# Allegro board 8880F5-0826_3.brd (continued)
## Routing (per net, layer and track width the routed paths; a pad name or vN(x,y) marks a point on that pad's centre or on a via; arc(x,y) is an arc through that point) (continued)
396.24,371.65 ; D107.B10 404.67,60.96 ; D107.B10 403.86,60.15 ; D107.B10 403.86,61.77 ; D107.B10 403.05,60.96 ; 320.04,90.73 D301.B6 ; D301.B6 319.33,91.44 ; D301.B6 320.04,92.15 ; D301.B6 320.75,91.44 ; D317.A7 175.97,83.82 ; D317.A7 174.55,83.82 ; D317.A7 175.26,83.11 ; D317.A7 175.26,84.53 ; 416.56,375.11 D111.A3 ; D111.A3 417.37,375.92 ; D111.A3 416.56,376.73 ; D111.A3 415.75,375.92 ; 42.37,78.74 D126.B13 ; D126.B13 43.18,79.55 ; D126.B13 43.99,78.74 ; D126.B13 43.18,77.93 ; 193.04,377.65 D431.B4 ; D431.B4 193.04,379.27 ; D431.B4 192.23,378.46 ; D431.B4 193.85,378.46 ; D132.A15 122.73,33.02 ; D132.A15 121.11,33.02 ; D132.A15 121.92,33.83 ; D132.A15 121.92,32.21 ; D110.B14 389.43,347.98 ; D110.B14 388.62,348.79 ; D110.B14 387.81,347.98 ; D110.B14 388.62,347.17 ; D129.A10 109.22,97.33 ; D129.A10 109.22,95.71 ; D129.A10 110.03,96.52 ; D129.A10 108.41,96.52 ; 194.87,83.82 D317.A15 ; D317.A15 195.58,84.53 ; D317.A15 196.29,83.82 ; D317.A15 195.58,83.11 ; 400.51,350.52 D110.B9 ; D110.B9 401.32,349.71 ; D110.B9 402.13,350.52 ; D110.B9 401.32,351.33 ; 251.43,242.35 SITE1.G15 ; SITE1.G15 251.91,242.83 ; SITE1.G15 250.95,242.83 ; SITE1.G15 251.43,243.31 ; 195.58,329.39 CSDPS229.C3 ; CSDPS229.C3 195.58,331.01 ; CSDPS229.C3 196.39,330.2 ; CSDPS229.C3 194.77,330.2 ; 167.64,39.83 D120.B4 ; D120.B4 167.64,41.45 ; D120.B4 168.45,40.64 ; D120.B4 166.83,40.64 ; 327.66,354.79 D114.A9 ; D114.A9 327.66,356.41 ; D114.A9 328.47,355.6 ; D114.A9 326.85,355.6 ; D317.B3 165.81,88.9 ; D317.B3 164.39,88.9 ; D317.B3 165.1,88.19 ; D317.B3 165.1,89.61 ; 108.41,81.28 D130.B10 ; D130.B10 109.22,82.09 ; D130.B10 110.03,81.28 ; D130.B10 109.22,80.47 ; 339.55,35.56 D104.A14 ; D104.A14 340.36,34.75 ; D104.A14 340.36,36.37 ; D104.A14 341.17,35.56 ; D118.A1 160.83,73.66 ; D118.A1 159.21,73.66 ; D118.A1 160.02,74.47 ; D118.A1 160.02,72.85 ; D231.A16 162.56,374.19 ; D231.A16 163.37,373.38 ; D231.A16 161.75,373.38 ; D231.A16 162.56,372.57 ; 187.96,39.83 D120.B12 ; D120.B12 188.77,40.64 ; D120.B12 187.15,40.64 ; D120.B12 187.96,41.45 ; D109.A2 419.1,333.55 ; D109.A2 419.1,331.93 ; D109.A2 418.29,332.74 ; D109.A2 419.91,332.74 ; 159.31,63.5 D318.A1 ; D318.A1 160.73,63.5 ; D318.A1 160.02,62.79 ; D318.A1 160.02,64.21 ; 88.09,35.56 D132.A2 ; D132.A2 88.9,34.75 ; D132.A2 89.71,35.56 ; D132.A2 88.9,36.37 ; SITE4.G7 328.81,187.93 ; SITE4.G7 328.33,187.45 ; SITE4.G7 327.85,187.93 ; SITE4.G7 328.33,188.41 ; SITE3.G6 253.33,181.81 ; SITE3.G6 252.85,181.33 ; SITE3.G6 253.33,180.85 ; SITE3.G6 253.81,181.33 ; D109.B12 394.51,327.66 ; D109.B12 393.7,326.85 ; D109.B12 392.89,327.66 ; D109.B12 393.7,328.47 ; D302.A9 328.37,63.5 ; D302.A9 326.95,63.5 ; D302.A9 327.66,62.79 ; D302.A9 327.66,64.21 ; CSDPS425.C7 259.08,341.17 ; CSDPS425.C7 259.89,340.36 ; CSDPS425.C7 258.27,340.36 ; CSDPS425.C7 259.08,339.55 ; D301.B7 322.58,89.61 ; D301.B7 322.58,88.19 ; D301.B7 323.29,88.9 ; D301.B7 321.87,88.9 ; D130.B6 99.06,82.09 ; D130.B6 99.87,81.28 ; D130.B6 99.06,80.47 ; D130.B6 98.25,81.28 ; D132.B2 88.9,41.45 ; D132.B2 88.09,40.64 ; D132.B2 89.71,40.64 ; D132.B2 88.9,39.83 ; 385.27,53.34 D107.A3 ; D107.A3 386.89,53.34 ; D107.A3 386.08,54.15 ; D107.A3 386.08,52.53 ; D305.B10 403.86,92.15 ; D305.B10 403.15,91.44 ; D305.B10 403.86,90.73 ; D305.B10 404.57,91.44 ; 331.33,187.45 SITE4.G10 ; SITE4.G10 330.85,187.93 ; SITE4.G10 331.33,188.41 ; SITE4.G10 331.81,187.93 ; 49.99,35.56 D128.A16 ; D128.A16 50.8,34.75 ; D128.A16 51.61,35.56 ; D128.A16 50.8,36.37 ; D123.B4 241.3,61.77 ; D123.B4 241.3,60.15 ; D123.B4 242.11,60.96 ; D123.B4 240.49,60.96 ; 161.75,383.54 D431.A16 ; D431.A16 162.56,382.73 ; D431.A16 163.37,383.54 ; D431.A16 162.56,384.35 ; 11.89,99.06 D125.B1 ; D125.B1 12.7,98.25 ; D125.B1 12.7,99.87 ; D125.B1 13.51,99.06 ; 187.25,66.04 D318.A12 ; D318.A12 188.67,66.04 ; D318.A12 187.96,65.33 ; D318.A12 187.96,66.75 ; 182.07,81.28 D118.B10 ; D118.B10 183.69,81.28 ; D118.B10 182.88,80.47 ; D118.B10 182.88,82.09 ; 319.23,35.56 D104.A6 ; D104.A6 320.85,35.56 ; D104.A6 320.04,36.37 ; D104.A6 320.04,34.75 ; 421.64,375.11 D111.A1 ; D111.A1 422.45,375.92 ; D111.A1 421.64,376.73 ; D111.A1 420.83,375.92 ; D131.A10 109.22,56.69 ; D131.A10 108.41,55.88 ; D131.A10 110.03,55.88 ; D131.A10 109.22,55.07 ; 337.82,67.87 D302.B13 ; D302.B13 337.82,69.29 ; D302.B13 337.11,68.58 ; D302.B13 338.53,68.58 ; 311.61,410.21 DPS2.C15 ; DPS2.C15 312.42,409.4 ; DPS2.C15 312.42,411.02 ; DPS2.C15 313.23,410.21 ; D132.B16 125.27,40.64 ; D132.B16 124.46,41.45 ; D132.B16 123.65,40.64 ; D132.B16 124.46,39.83 ; D127.A12 41.45,55.88 ; D127.A12 40.64,56.69 ; D127.A12 39.83,55.88 ; D127.A12 40.64,55.07 ; D128.A10 36.37,35.56 ; D128.A10 34.75,35.56 ; D128.A10 35.56,34.75 ; D128.A10 35.56,36.37 ; 105.87,78.74 D130.B9 ; D130.B9 107.49,78.74 ; D130.B9 106.68,77.93 ; D130.B9 106.68,79.55 ; 16.97,78.74 D126.B3 ; D126.B3 17.78,79.55 ; D126.B3 17.78,77.93 ; D126.B3 18.59,78.74 ; 165.1,329.39 CSDPS229.C15 ; CSDPS229.C15 165.1,331.01 ; CSDPS229.C15 164.29,330.2 ; CSDPS229.C15 165.91,330.2 ; D107.A13 412.29,53.34 ; D107.A13 411.48,52.53 ; D107.A13 411.48,54.15 ; D107.A13 410.67,53.34 ; D305.B1 381.71,88.9 ; D305.B1 380.29,88.9 ; D305.B1 381,88.19 ; D305.B1 381,89.61 ; 17.78,52.53 D127.A3 ; D127.A3 18.59,53.34 ; D127.A3 17.78,54.15 ; D127.A3 16.97,53.34 ; 250.33,187.45 SITE3.G9 ; SITE3.G9 250.33,188.41 ; SITE3.G9 249.85,187.93 ; SITE3.G9 250.81,187.93 ; D102.A5 317.5,74.47 ; D102.A5 316.69,73.66 ; D102.A5 317.5,72.85 ; D102.A5 318.31,73.66 ; 326.85,78.74 D102.B9 ; D102.B9 327.66,79.55 ; D102.B9 327.66,77.93 ; D102.B9 328.47,78.74 ; SITE4.G17 329.51,186.43 ; SITE4.G17 328.55,186.43 ; SITE4.G17 329.03,185.95 ; SITE4.G17 329.03,186.91 ; CSDPS425.C5 264.16,341.17 ; CSDPS425.C5 264.97,340.36 ; CSDPS425.C5 264.16,339.55 ; CSDPS425.C5 263.35,340.36 ; D111.A15 386.08,376.73 ; D111.A15 385.27,375.92 ; D111.A15 386.89,375.92 ; D111.A15 386.08,375.11 ; CSDPS229.C5 191.31,330.2 ; CSDPS229.C5 190.5,329.39 ; CSDPS229.C5 190.5,331.01 ; CSDPS229.C5 189.69,330.2 ; 187.96,75.39 D118.A12 ; D118.A12 187.96,77.01 ; D118.A12 187.15,76.2 ; D118.A12 188.77,76.2 ; D130.B7 101.6,79.55 ; D130.B7 101.6,77.93 ; D130.B7 102.41,78.74 ; D130.B7 100.79,78.74 ; 258.27,19.05 DPS3.C11 ; DPS3.C11 259.08,19.86 ; DPS3.C11 259.89,19.05 ; DPS3.C11 259.08,18.24 ; D301.B15 342.9,89.61 ; D301.B15 342.9,88.19 ; D301.B15 343.61,88.9 ; D301.B15 342.19,88.9 ; 393.7,75.39 D106.A6 ; D106.A6 392.89,76.2 ; D106.A6 394.51,76.2 ; D106.A6 393.7,77.01 ; 344.73,71.12 D302.B16 ; D302.B16 346.15,71.12 ; D302.B16 345.44,71.83 ; D302.B16 345.44,70.41 ; 248.92,339.55 CSDPS425.C11 ; CSDPS425.C11 248.92,341.17 ; CSDPS425.C11 248.11,340.36 ; CSDPS425.C11 249.73,340.36 ; 410.77,63.5 D306.A13 ; D306.A13 412.19,63.5 ; D306.A13 411.48,64.21 ; D306.A13 411.48,62.79 ; D127.A4 21.13,55.88 ; D127.A4 20.32,55.07 ; D127.A4 20.32,56.69 ; D127.A4 19.51,55.88 ; CSDPS229.B12 173.53,332.74 ; CSDPS229.B12 172.72,331.93 ; CSDPS229.B12 172.72,333.55 ; CSDPS229.B12 171.91,332.74 ; 165.1,62.79 D318.A3 ; D318.A3 165.81,63.5 ; D318.A3 165.1,64.21 ; D318.A3 164.39,63.5 ; 388.62,372.57 D111.A14 ; D111.A14 388.62,374.19 ; D111.A14 387.81,373.38 ; D111.A14 389.43,373.38 ; D114.B13 317.5,351.33 ; D114.B13 318.31,350.52 ; D114.B13 317.5,349.71 ; D114.B13 316.69,350.52 ; D321.A6 246.38,87.07 ; D321.A6 245.67,86.36 ; D321.A6 246.38,85.65 ; D321.A6 247.09,86.36 ; D115.A1 347.98,376.73 ; D115.A1 348.79,375.92 ; D115.A1 347.17,375.92 ; D115.A1 347.98,375.11 ; D231.A3 195.58,376.73 ; D231.A3 195.58,375.11 ; D231.A3 194.77,375.92 ; D231.A3 196.39,375.92 ; 238.05,88.9 D321.B3 ; D321.B3 238.76,88.19 ; D321.B3 239.47,88.9 ; D321.B3 238.76,89.61 ; 96.52,72.85 D130.A5 ; D130.A5 96.52,74.47 ; D130.A5 97.33,73.66 ; D130.A5 95.71,73.66 ; 199.85,410.21 DPS8.C01 ; DPS8.C01 200.66,411.02 ; DPS8.C01 201.47,410.21 ; DPS8.C01 200.66,409.4 ; D125.A1 12.7,94.79 ; D125.A1 12.7,93.17 ; D125.A1 11.89,93.98 ; D125.A1 13.51,93.98 ; 103.33,81.28 D130.B8 ; D130.B8 104.95,81.28 ; D130.B8 104.14,80.47 ; D130.B8 104.14,82.09 ; SITE1.G17 249.03,246.91 ; SITE1.G17 249.03,245.95 ; SITE1.G17 248.55,246.43 ; SITE1.G17 249.51,246.43 ; D122.B2 236.22,82.09 ; D122.B2 237.03,81.28 ; D122.B2 235.41,81.28 ; D122.B2 236.22,80.47 ; 182.88,372.57 D231.A8 ; D231.A8 182.07,373.38 ; D231.A8 183.69,373.38 ; D231.A8 182.88,374.19 ; D104.B7 323.39,38.1 ; D104.B7 322.58,38.91 ; D104.B7 322.58,37.29 ; D104.B7 321.77,38.1 ; 124.46,75.39 D130.A16 ; D130.A16 125.27,76.2 ; D130.A16 124.46,77.01 ; D130.A16 123.65,76.2 ; 116.84,57.61 D131.B13 ; D131.B13 116.03,58.42 ; D131.B13 117.65,58.42 ; D131.B13 116.84,59.23 ; D103.A12 335.28,56.69 ; D103.A12 335.28,55.07 ; D103.A12 334.47,55.88 ; D103.A12 336.09,55.88 ; 395.43,391.16 D112.B11 ; D112.B11 396.24,390.35 ; D112.B11 396.24,391.97 ; D112.B11 397.05,391.16 ; 316.69,38.1 D104.B5 ; D104.B5 317.5,38.91 ; D104.B5 317.5,37.29 ; D104.B5 318.31,38.1 ; 337.82,395.43 D116.A5 ; D116.A5 337.82,397.05 ; D116.A5 338.63,396.24 ; D116.A5 337.01,396.24 ; 187.15,332.74 CSDPS229.B6 ; CSDPS229.B6 187.96,331.93 ; CSDPS229.B6 187.96,333.55 ; CSDPS229.B6 188.77,332.74 ; 270.97,60.96 D123.B16 ; D123.B16 271.78,60.15 ; D123.B16 271.78,61.77 ; D123.B16 272.59,60.96 ; 314.15,393.7 D116.A14 ; D116.A14 314.96,394.51 ; D116.A14 314.96,392.89 ; D116.A14 315.77,393.7 ; D115.B10 325.93,368.3 ; D115.B10 325.12,367.49 ; D115.B10 325.12,369.11 ; D115.B10 324.31,368.3 ; 266.7,90.73 D321.B14 ; D321.B14 267.41,91.44 ; D321.B14 266.7,92.15 ; D321.B14 265.99,91.44 ; 252.63,245.95 SITE1.G20 ; SITE1.G20 253.11,246.43 ; SITE1.G20 252.63,246.91 ; SITE1.G20 252.15,246.43 ; D112.B2 419.1,389.43 ; D112.B2 419.91,388.62 ; D112.B2 419.1,387.81 ; D112.B2 418.29,388.62 ; 263.35,78.74 D122.B13 ; D122.B13 264.16,79.55 ; D122.B13 264.16,77.93 ; D122.B13 264.97,78.74 ; 316.69,78.74 D102.B5 ; D102.B5 318.31,78.74 ; D102.B5 317.5,77.93 ; D102.B5 317.5,79.55 ; 189.69,415.29 DPS8.A05 ; DPS8.A05 190.5,416.1 ; DPS8.A05 191.31,415.29 ; DPS8.A05 190.5,414.48 ; 319.23,76.2 D102.A6 ; D102.A6 320.04,75.39 ; D102.A6 320.04,77.01 ; D102.A6 320.85,76.2 ; D231.A11 176.07,375.92 ; D231.A11 175.26,376.73 ; D231.A11 174.45,375.92 ; D231.A11 175.26,375.11 ; D113.B11 322.58,331.01 ; D113.B11 322.58,329.39 ; D113.B11 323.39,330.2 ; D113.B11 321.77,330.2 ; S2_I2C.4 504.95,204.39 ; S2_I2C.4 504.01,203.45 ; S2_I2C.4 505.89,203.45 ; S2_I2C.4 504.95,202.51 ; D306.B9 401.32,69.29 ; D306.B9 400.61,68.58 ; D306.B9 402.03,68.58 ; D306.B9 401.32,67.87 ; D106.B9 402.13,78.74 ; D106.B9 401.32,79.55 ; D106.B9 401.32,77.93 ; D106.B9 400.51,78.74 ; D107.B11 406.4,59.23 ; D107.B11 405.59,58.42 ; D107.B11 407.21,58.42 ; D107.B11 406.4,57.61 ; D119.B2 163.37,60.96 ; D119.B2 161.75,60.96 ; D119.B2 162.56,61.77 ; D119.B2 162.56,60.15 ; D129.B13 117.65,99.06 ; D129.B13 116.84,98.25 ; D129.B13 116.84,99.87 ; D129.B13 116.03,99.06 ; D302.A10 330.91,66.04 ; D302.A10 330.2,65.33 ; D302.A10 329.49,66.04 ; D302.A10 330.2,66.75 ; 405.59,78.74 D106.B11 ; D106.B11 406.4,79.55 ; D106.B11 406.4,77.93 ; D106.B11 407.21,78.74 ; 185.42,32.21 D120.A11 ; D120.A11 184.61,33.02 ; D120.A11 186.23,33.02 ; D120.A11 185.42,33.83 ; 174.45,330.2 CSDPS229.C11 ; CSDPS229.C11 175.26,331.01 ; CSDPS229.C11 175.26,329.39 ; CSDPS229.C11 176.07,330.2 ; 309.88,90.73 D301.B2 ; D301.B2 309.88,92.15 ; D301.B2 309.17,91.44 ; D301.B2 310.59,91.44 ; D318.B4 168.35,71.12 ; D318.B4 167.64,71.83 ; D318.B4 167.64,70.41 ; D318.B4 166.93,71.12 ; D301.A1 307.34,84.53 ; D301.A1 306.63,83.82 ; D301.A1 308.05,83.82 ; D301.A1 307.34,83.11 ; 330.2,39.83 D104.B10 ; D104.B10 329.39,40.64 ; D104.B10 330.2,41.45 ; D104.B10 331.01,40.64 ; D231.B15 165.1,371.65 ; D231.B15 165.1,370.03 ; D231.B15 165.91,370.84 ; D231.B15 164.29,370.84 ; 177.8,382.73 D431.A10 ; D431.A10 178.61,383.54 ; D431.A10 176.99,383.54 ; D431.A10 177.8,384.35 ; D305.A10 403.86,87.07 ; D305.A10 403.15,86.36 ; D305.A10 403.86,85.65 ; D305.A10 404.57,86.36 ; D127.A13 43.99,53.34 ; D127.A13 43.18,52.53 ; D127.A13 42.37,53.34 ; D127.A13 43.18,54.15 ; D109.B2 419.1,328.47 ; D109.B2 418.29,327.66 ; D109.B2 419.1,326.85 ; D109.B2 419.91,327.66 ; D322.B6 246.38,71.83 ; D322.B6 247.09,71.12 ; D322.B6 246.38,70.41 ; D322.B6 245.67,71.12 ; D302.B15 342.9,69.29 ; D302.B15 343.61,68.58 ; D302.B15 342.9,67.87 ; D302.B15 342.19,68.58 ; 325.12,331.93 D113.A10 ; D113.A10 325.93,332.74 ; D113.A10 325.12,333.55 ; D113.A10 324.31,332.74 ; 251.46,90.73 D321.B8 ; D321.B8 252.17,91.44 ; D321.B8 250.75,91.44 ; D321.B8 251.46,92.15 ; D431.B17 160.83,381 ; D431.B17 159.21,381 ; D431.B17 160.02,380.19 ; D431.B17 160.02,381.81 ; D126.B2 15.24,82.09 ; D126.B2 15.24,80.47 ; D126.B2 14.43,81.28 ; D126.B2 16.05,81.28 ; 233.68,62.79 D322.A1 ; D322.A1 234.39,63.5 ; D322.A1 233.68,64.21 ; D322.A1 232.97,63.5 ; D306.B10 404.57,71.12 ; D306.B10 403.86,70.41 ; D306.B10 403.15,71.12 ; D306.B10 403.86,71.83 ; 171.91,55.88 D119.A6 ; D119.A6 172.72,55.07 ; D119.A6 172.72,56.69 ; D119.A6 173.53,55.88 ; CSDPS229.B10 178.61,332.74 ; CSDPS229.B10 176.99,332.74 ; CSDPS229.B10 177.8,333.55 ; CSDPS229.B10 177.8,331.93 ; D122.A4 242.11,76.2 ; D122.A4 241.3,75.39 ; D122.A4 241.3,77.01 ; D122.A4 240.49,76.2 ; D114.A1 347.98,356.41 ; D114.A1 347.17,355.6 ; D114.A1 348.79,355.6 ; D114.A1 347.98,354.79 ; D113.B5 338.63,330.2 ; D113.B5 337.82,329.39 ; D113.B5 337.01,330.2 ; D113.B5 337.82,331.01 ; D110.A16 383.54,353.87 ; D110.A16 383.54,352.25 ; D110.A16 384.35,353.06 ; D110.A16 382.73,353.06 ; 316.69,391.16 D116.B13 ; D116.B13 317.5,391.97 ; D116.B13 318.31,391.16 ; D116.B13 317.5,390.35 ; 269.24,57.61 D123.B15 ; D123.B15 269.24,59.23 ; D123.B15 268.43,58.42 ; D123.B15 270.05,58.42 ; 243.03,78.74 D122.B5 ; D122.B5 244.65,78.74 ; D122.B5 243.84,79.55 ; D122.B5 243.84,77.93 ; 177.8,85.65 D317.A8 ; D317.A8 177.09,86.36 ; D317.A8 177.8,87.07 ; D317.A8 178.51,86.36 ; 326.85,396.24 D116.A9 ; D116.A9 328.47,396.24 ; D116.A9 327.66,395.43 ; D116.A9 327.66,397.05 ; D322.A2 236.22,66.75 ; D322.A2 236.93,66.04 ; D322.A2 236.22,65.33 ; D322.A2 235.51,66.04 ; 161.85,66.04 D318.A2 ; D318.A2 163.27,66.04 ; D318.A2 162.56,66.75 ; D318.A2 162.56,65.33 ; D431.A4 193.04,384.35 ; D431.A4 192.23,383.54 ; D431.A4 193.04,382.73 ; D431.A4 193.85,383.54 ; D113.B13 317.5,331.01 ; D113.B13 316.69,330.2 ; D113.B13 318.31,330.2 ; D113.B13 317.5,329.39 ; D123.A16 272.59,55.88 ; D123.A16 271.78,56.69 ; D123.A16 271.78,55.07 ; D123.A16 270.97,55.88 ; D125.B13 43.99,99.06 ; D125.B13 43.18,98.25 ; D125.B13 42.37,99.06 ; D125.B13 43.18,99.87 ; D126.B8 30.48,82.09 ; D126.B8 31.29,81.28 ; D126.B8 29.67,81.28 ; D126.B8 30.48,80.47 ; D116.B3 342.9,391.97 ; D116.B3 342.09,391.16 ; D116.B3 342.9,390.35 ; D116.B3 343.71,391.16 ; 322.58,395.43 D116.A11 ; D116.A11 323.39,396.24 ; D116.A11 322.58,397.05 ; D116.A11 321.77,396.24 ; D115.B14 315.77,368.3 ; D115.B14 314.96,369.11 ; D115.B14 314.96,367.49 ; D115.B14 314.15,368.3 ; D123.B5 244.65,58.42 ; D123.B5 243.84,57.61 ; D123.B5 243.84,59.23 ; D123.B5 243.03,58.42 ; 340.36,55.07 D103.A14 ; D103.A14 341.17,55.88 ; D103.A14 340.36,56.69 ; D103.A14 339.55,55.88 ; CSDPS225.C13 243.84,331.01 ; CSDPS225.C13 243.03,330.2 ; CSDPS225.C13 243.84,329.39 ; CSDPS225.C13 244.65,330.2 ; 259.08,77.93 D122.B11 ; D122.B11 259.08,79.55 ; D122.B11 259.89,78.74 ; D122.B11 258.27,78.74 ; D112.B10 398.78,389.43 ; D112.B10 399.59,388.62 ; D112.B10 397.97,388.62 ; D112.B10 398.78,387.81 ; 317.5,88.19 D301.B5 ; D301.B5 318.21,88.9 ; D301.B5 316.79,88.9 ; D301.B5 317.5,89.61 ; 237.95,58.42 D123.B3 ; D123.B3 239.57,58.42 ; D123.B3 238.76,57.61 ; D123.B3 238.76,59.23 ; 198.12,55.07 D119.A16 ; D119.A16 197.31,55.88 ; D119.A16 198.12,56.69 ; D119.A16 198.93,55.88 ; 100.79,99.06 D129.B7 ; D129.B7 102.41,99.06 ; D129.B7 101.6,98.25 ; D129.B7 101.6,99.87 ; D106.B10 404.67,81.28 ; D106.B10 403.86,80.47 ; D106.B10 403.05,81.28 ; D106.B10 403.86,82.09 ; 27.13,38.1 D128.B7 ; D128.B7 27.94,38.91 ; D128.B7 27.94,37.29 ; D128.B7 28.75,38.1 ; 329.39,368.3 D115.B8 ; D115.B8 331.01,368.3 ; D115.B8 330.2,367.49 ; D115.B8 330.2,369.11 ; D122.A8 251.46,77.01 ; D122.A8 250.65,76.2 ; D122.A8 252.27,76.2 ; D122.A8 251.46,75.39 ; D104.A8 325.93,35.56 ; D104.A8 325.12,36.37 ; D104.A8 324.31,35.56 ; D104.A8 325.12,34.75 ; 326.95,83.82 D301.A9 ; D301.A9 327.66,83.11 ; D301.A9 328.37,83.82 ; D301.A9 327.66,84.53 ; 414.02,85.65 D305.A14 ; D305.A14 414.02,87.07 ; D305.A14 414.73,86.36 ; D305.A14 413.31,86.36 ; D127.B16 50.8,61.77 ; D127.B16 49.99,60.96 ; D127.B16 50.8,60.15 ; D127.B16 51.61,60.96 ; 263.45,63.5 D322.A13 ; D322.A13 264.87,63.5 ; D322.A13 264.16,64.21 ; D322.A13 264.16,62.79 ; 93.17,35.56 D132.A4 ; D132.A4 93.98,36.37 ; D132.A4 94.79,35.56 ; D132.A4 93.98,34.75 ; 176.99,55.88 D119.A8 ; D119.A8 178.61,55.88 ; D119.A8 177.8,56.69 ; D119.A8 177.8,55.07 ; 387.81,393.7 D112.A14 ; D112.A14 388.62,392.89 ; D112.A14 389.43,393.7 ; D112.A14 388.62,394.51 ; D131.A5 96.52,54.15 ; D131.A5 96.52,52.53 ; D131.A5 97.33,53.34 ; D131.A5 95.71,53.34 ; D305.A3 386.79,83.82 ; D305.A3 385.37,83.82 ; D305.A3 386.08,84.53 ; D305.A3 386.08,83.11 ; 420.83,370.84 D111.B1 ; D111.B1 421.64,371.65 ; D111.B1 422.45,370.84 ; D111.B1 421.64,370.03 ; 413.21,368.3 D111.B4 ; D111.B4 414.02,369.11 ; D111.B4 414.02,367.49 ; D111.B4 414.83,368.3 ; 184.61,370.84 D231.B7 ; D231.B7 185.42,370.03 ; D231.B7 186.23,370.84 ; D231.B7 185.42,371.65 ; CSDPS229.B2 198.12,333.55 ; CSDPS229.B2 197.31,332.74 ; CSDPS229.B2 198.12,331.93 ; CSDPS229.B2 198.93,332.74 ; 419.1,65.33 D306.A16 ; D306.A16 418.39,66.04 ; D306.A16 419.1,66.75 ; D306.A16 419.81,66.04 ; 258.27,53.34 D123.A11 ; D123.A11 259.89,53.34 ; D123.A11 259.08,52.53 ; D123.A11 259.08,54.15 ; 309.88,326.85 D113.B16 ; D113.B16 309.07,327.66 ; D113.B16 309.88,328.47 ; D113.B16 310.69,327.66 ; 44.91,101.6 D125.B14 ; D125.B14 46.53,101.6 ; D125.B14 45.72,102.41 ; D125.B14 45.72,100.79 ; D122.A11 259.08,74.47 ; D122.A11 259.89,73.66 ; D122.A11 259.08,72.85 ; D122.A11 258.27,73.66 ; 175.26,88.19 D317.B7 ; D317.B7 175.26,89.61 ; D317.B7 175.97,88.9 ; D317.B7 174.55,88.9 ; 408.13,35.56 D108.A12 ; D108.A12 409.75,35.56 ; D108.A12 408.94,34.75 ; D108.A12 408.94,36.37 ; 335.28,347.17 D114.B6 ; D114.B6 334.47,347.98 ; D114.B6 335.28,348.79 ; D114.B6 336.09,347.98 ; 266.7,60.15 D123.B14 ; D123.B14 265.89,60.96 ; D123.B14 267.51,60.96 ; D123.B14 266.7,61.77 ; D113.A7 333.55,335.28 ; D113.A7 332.74,336.09 ; D113.A7 332.74,334.47 ; D113.A7 331.93,335.28 ; D305.A6 393.7,87.07 ; D305.A6 392.99,86.36 ; D305.A6 394.41,86.36 ; D305.A6 393.7,85.65 ; 233.68,13.16 DPS3.A01 ; DPS3.A01 234.49,13.97 ; DPS3.A01 232.87,13.97 ; DPS3.A01 233.68,14.78 ; 25.4,95.71 D125.A6 ; D125.A6 25.4,97.33 ; D125.A6 26.21,96.52 ; D125.A6 24.59,96.52 ; D113.A1 347.98,336.09 ; D113.A1 347.98,334.47 ; D113.A1 347.17,335.28 ; D113.A1 348.79,335.28 ; D129.B8 104.14,102.41 ; D129.B8 103.33,101.6 ; D129.B8 104.95,101.6 ; D129.B8 104.14,100.79 ; D102.A1 307.34,74.47 ; D102.A1 307.34,72.85 ; D102.A1 308.15,73.66 ; D102.A1 306.53,73.66 ; 248.92,57.61 D123.B7 ; D123.B7 248.92,59.23 ; D123.B7 249.73,58.42 ; D123.B7 248.11,58.42 ; D103.A11 333.55,53.34 ; D103.A11 332.74,52.53 ; D103.A11 331.93,53.34 ; D103.A11 332.74,54.15 ; 335.28,331.93 D113.A6 ; D113.A6 336.09,332.74 ; D113.A6 335.28,333.55 ; D113.A6 334.47,332.74 ; D122.A3 239.57,73.66 ; D122.A3 238.76,74.47 ; D122.A3 238.76,72.85 ; D122.A3 237.95,73.66 ; 381,77.93 D106.B1 ; D106.B1 381.81,78.74 ; D106.B1 380.19,78.74 ; D106.B1 381,79.55 ; 403.86,331.93 D109.A8 ; D109.A8 403.05,332.74 ; D109.A8 404.67,332.74 ; D109.A8 403.86,333.55 ; SITE3.G20 252.63,186.91 ; SITE3.G20 253.11,186.43 ; SITE3.G20 252.15,186.43 ; SITE3.G20 252.63,185.95 ; SITE2.G10 331.81,247.93 ; SITE2.G10 331.33,248.41 ; SITE2.G10 331.33,247.45 ; SITE2.G10 330.85,247.93 ; D131.A1 87.17,53.34 ; D131.A1 86.36,52.53 ; D131.A1 86.36,54.15 ; D131.A1 85.55,53.34 ; D321.A16 272.49,86.36 ; D321.A16 271.78,85.65 ; D321.A16 271.78,87.07 ; D321.A16 271.07,86.36 ; D119.A11 185.42,54.15 ; D119.A11 184.61,53.34 ; D119.A11 185.42,52.53 ; D119.A11 186.23,53.34 ; D127.A10 35.56,56.69 ; D127.A10 34.75,55.88 ; D127.A10 35.56,55.07 ; D127.A10 36.37,55.88 ; 398.78,90.73 D305.B8 ; D305.B8 398.07,91.44 ; D305.B8 398.78,92.15 ; D305.B8 399.49,91.44 ; D306.B5 391.16,69.29 ; D306.B5 391.87,68.58 ; D306.B5 390.45,68.58 ; D306.B5 391.16,67.87 ; 190.5,88.19 D317.B13 ; D317.B13 190.5,89.61 ; D317.B13 189.79,88.9 ; D317.B13 191.21,88.9 ; 387.81,327.66 D109.B14 ; D109.B14 389.43,327.66 ; D109.B14 388.62,328.47 ; D109.B14 388.62,326.85 ; D110.A8 403.86,353.87 ; D110.A8 403.05,353.06 ; D110.A8 404.67,353.06 ; D110.A8 403.86,352.25 ; 251.85,241.33 SITE1.G5 ; SITE1.G5 252.81,241.33 ; SITE1.G5 252.33,240.85 ; SITE1.G5 252.33,241.81 ; D122.A12 262.43,76.2 ; D122.A12 260.81,76.2 ; D122.A12 261.62,77.01 ; D122.A12 261.62,75.39 ; 265.89,342.9 CSDPS425.B4 ; CSDPS425.B4 267.51,342.9 ; CSDPS425.B4 266.7,342.09 ; CSDPS425.B4 266.7,343.71 ; 408.13,393.7 D112.A6 ; D112.A6 409.75,393.7 ; D112.A6 408.94,394.51 ; D112.A6 408.94,392.89 ; D124.A4 242.11,35.56 ; D124.A4 240.49,35.56 ; D124.A4 241.3,36.37 ; D124.A4 241.3,34.75 ; 240.49,332.74 CSDPS225.B14 ; CSDPS225.B14 242.11,332.74 ; CSDPS225.B14 241.3,333.55 ; CSDPS225.B14 241.3,331.93 ; 393.7,65.33 D306.A6 ; D306.A6 394.41,66.04 ; D306.A6 393.7,66.75 ; D306.A6 392.99,66.04 ; D107.B3 386.89,58.42 ; D107.B3 386.08,59.23 ; D107.B3 385.27,58.42 ; D107.B3 386.08,57.61 ; 331.93,375.92 D115.A7 ; D115.A7 333.55,375.92 ; D115.A7 332.74,376.73 ; D115.A7 332.74,375.11 ; D132.B8 104.95,40.64 ; D132.B8 104.14,39.83 ; D132.B8 104.14,41.45 ; D132.B8 103.33,40.64 ; D317.B8 177.8,92.15 ; D317.B8 177.8,90.73 ; D317.B8 178.51,91.44 ; D317.B8 177.09,91.44 ; 98.25,76.2 D130.A6 ; D130.A6 99.87,76.2 ; D130.A6 99.06,77.01 ; D130.A6 99.06,75.39 ; D132.B7 102.41,38.1 ; D132.B7 100.79,38.1 ; D132.B7 101.6,38.91 ; D132.B7 101.6,37.29 ; 416.56,77.93 D106.B15 ; D106.B15 416.56,79.55 ; D106.B15 417.37,78.74 ; D106.B15 415.75,78.74 ; CSDPS225.C15 239.57,330.2 ; CSDPS225.C15 238.76,329.39 ; CSDPS225.C15 237.95,330.2 ; CSDPS225.C15 238.76,331.01 ; SITE2.G1 328.33,241.81 ; SITE2.G1 328.33,240.85 ; SITE2.G1 328.81,241.33 ; SITE2.G1 327.85,241.33 ; 393.7,60.15 D107.B6 ; D107.B6 393.7,61.77 ; D107.B6 392.89,60.96 ; D107.B6 394.51,60.96 ; D103.B3 313.23,58.42 ; D103.B3 312.42,59.23 ; D103.B3 312.42,57.61 ; D103.B3 311.61,58.42 ; D119.A15 196.39,53.34 ; D119.A15 195.58,54.15 ; D119.A15 195.58,52.53 ; D119.A15 194.77,53.34 ; D123.A6 246.38,56.69 ; D123.A6 245.57,55.88 ; D123.A6 247.19,55.88 ; D123.A6 246.38,55.07 ; D104.B8 325.93,40.64 ; D104.B8 325.12,39.83 ; D104.B8 324.31,40.64 ; D104.B8 325.12,41.45 ; 253.19,340.36 CSDPS425.C9 ; CSDPS425.C9 254,341.17 ; CSDPS425.C9 254,339.55 ; CSDPS425.C9 254.81,340.36 ; D231.B9 180.34,371.65 ; D231.B9 179.53,370.84 ; D231.B9 181.15,370.84 ; D231.B9 180.34,370.03 ; D129.A5 96.52,94.79 ; D129.A5 95.71,93.98 ; D129.A5 97.33,93.98 ; D129.A5 96.52,93.17 ; 393.7,80.47 D106.B6 ; D106.B6 394.51,81.28 ; D106.B6 392.89,81.28 ; D106.B6 393.7,82.09 ; 411.48,67.87 D306.B13 ; D306.B13 412.19,68.58 ; D306.B13 411.48,69.29 ; D306.B13 410.77,68.58 ; 172.01,66.04 D318.A6 ; D318.A6 172.72,66.75 ; D318.A6 173.43,66.04 ; D318.A6 172.72,65.33 ; CSDPS225.C5 264.97,330.2 ; CSDPS225.C5 264.16,329.39 ; CSDPS225.C5 264.16,331.01 ; CSDPS225.C5 263.35,330.2 ; 309.07,347.98 D114.B16 ; D114.B16 309.88,347.17 ; D114.B16 309.88,348.79 ; D114.B16 310.69,347.98 ; 254,57.61 D123.B9 ; D123.B9 253.19,58.42 ; D123.B9 254,59.23 ; D123.B9 254.81,58.42 ; 395.43,375.92 D111.A11 ; D111.A11 397.05,375.92 ; D111.A11 396.24,375.11 ; D111.A11 396.24,376.73 ; 236.22,331.93 CSDPS225.B16 ; CSDPS225.B16 236.22,333.55 ; CSDPS225.B16 237.03,332.74 ; CSDPS225.B16 235.41,332.74 ; 314.15,81.28 D102.B4 ; D102.B4 314.96,80.47 ; D102.B4 315.77,81.28 ; D102.B4 314.96,82.09 ; 29.67,55.88 D127.A8 ; D127.A8 31.29,55.88 ; D127.A8 30.48,55.07 ; D127.A8 30.48,56.69 ; 332.15,186.43 SITE4.G20 ; SITE4.G20 333.11,186.43 ; SITE4.G20 332.63,185.95 ; SITE4.G20 332.63,186.91 ; 260.81,81.28 D122.B12 ; D122.B12 262.43,81.28 ; D122.B12 261.62,82.09 ; D122.B12 261.62,80.47 ; D318.B5 170.18,69.29 ; D318.B5 170.89,68.58 ; D318.B5 170.18,67.87 ; D318.B5 169.47,68.58 ; 243.13,83.82 D321.A5 ; D321.A5 243.84,84.53 ; D321.A5 244.55,83.82 ; D321.A5 243.84,83.11 ; D231.A14 168.45,373.38 ; D231.A14 167.64,374.19 ; D231.A14 167.64,372.57 ; D231.A14 166.83,373.38 ; D301.A3 313.13,83.82 ; D301.A3 312.42,83.11 ; D301.A3 312.42,84.53 ; D301.A3 311.71,83.82 ; 240.49,55.88 D123.A4 ; D123.A4 241.3,55.07 ; D123.A4 242.11,55.88 ; D123.A4 241.3,56.69 ; SITE2.G11 332.81,247.93 ; SITE2.G11 332.33,247.45 ; SITE2.G11 332.33,248.41 ; SITE2.G11 331.85,247.93 ; 330.33,247.45 SITE2.G9 ; SITE2.G9 330.81,247.93 ; SITE2.G9 329.85,247.93 ; SITE2.G9 330.33,248.41 ; D126.B6 25.4,82.09 ; D126.B6 25.4,80.47 ; D126.B6 24.59,81.28 ; D126.B6 26.21,81.28 ; 340.36,347.17 D114.B4 ; D114.B4 340.36,348.79 ; D114.B4 339.55,347.98 ; D114.B4 341.17,347.98 ; 382.83,66.04 D306.A2 ; D306.A2 383.54,66.75 ; D306.A2 384.25,66.04 ; D306.A2 383.54,65.33 ; D301.B10 330.2,92.15 ; D301.B10 330.2,90.73 ; D301.B10 330.91,91.44 ; D301.B10 329.49,91.44 ; 396.24,52.53 D107.A7 ; D107.A7 395.43,53.34 ; D107.A7 397.05,53.34 ; D107.A7 396.24,54.15 ; 258.27,58.42 D123.B11 ; D123.B11 259.89,58.42 ; D123.B11 259.08,59.23 ; D123.B11 259.08,57.61 ; 14.43,60.96 D127.B2 ; D127.B2 15.24,61.77 ; D127.B2 15.24,60.15 ; D127.B2 16.05,60.96 ; 314.25,66.04 D302.A4 ; D302.A4 314.96,65.33 ; D302.A4 314.96,66.75 ; D302.A4 315.67,66.04 ; 27.13,33.02 D128.A7 ; D128.A7 28.75,33.02 ; D128.A7 27.94,33.83 ; D128.A7 27.94,32.21 ; 416.56,83.11 D305.A15 ; D305.A15 415.85,83.82 ; D305.A15 417.27,83.82 ; D305.A15 416.56,84.53 ; D118.B1 160.83,78.74 ; D118.B1 160.02,79.55 ; D118.B1 159.21,78.74 ; D118.B1 160.02,77.93 ; D114.B2 346.25,347.98 ; D114.B2 345.44,348.79 ; D114.B2 344.63,347.98 ; D114.B2 345.44,347.17 ; 316.69,53.34 D103.A5 ; D103.A5 317.5,54.15 ; D103.A5 318.31,53.34 ; D103.A5 317.5,52.53 ; D128.A1 13.51,33.02 ; D128.A1 12.7,32.21 ; D128.A1 11.89,33.02 ; D128.A1 12.7,33.83 ; D125.A15 49.07,93.98 ; D125.A15 48.26,93.17 ; D125.A15 47.45,93.98 ; D125.A15 48.26,94.79 ; D124.A14 266.7,36.37 ; D124.A14 267.51,35.56 ; D124.A14 265.89,35.56 ; D124.A14 266.7,34.75 ; 390.45,88.9 D305.B5 ; D305.B5 391.16,88.19 ; D305.B5 391.87,88.9 ; D305.B5 391.16,89.61 ; 192.33,91.44 D317.B14 ; D317.B14 193.04,90.73 ; D317.B14 193.75,91.44 ; D317.B14 193.04,92.15 ; 171.91,60.96 D119.B6 ; D119.B6 172.72,60.15 ; D119.B6 173.53,60.96 ; D119.B6 172.72,61.77 ; D110.B1 421.64,351.33 ; D110.B1 420.83,350.52 ; D110.B1 421.64,349.71 ; D110.B1 422.45,350.52 ; 327.66,390.35 D116.B9 ; D116.B9 326.85,391.16 ; D116.B9 327.66,391.97 ; D116.B9 328.47,391.16 ; 246.38,80.47 D122.B6 ; D122.B6 245.57,81.28 ; D122.B6 247.19,81.28 ; D122.B6 246.38,82.09 ; 194.77,386.08 D431.A3 ; D431.A3 195.58,385.27 ; D431.A3 195.58,386.89 ; D431.A3 196.39,386.08 ; D318.B13 190.5,69.29 ; D318.B13 191.21,68.58 ; D318.B13 190.5,67.87 ; D318.B13 189.79,68.58 ; SITE2.G3 330.81,241.33 ; SITE2.G3 330.33,240.85 ; SITE2.G3 330.33,241.81 ; SITE2.G3 329.85,241.33 ; 197.41,71.12 D318.B16 ; D318.B16 198.12,71.83 ; D318.B16 198.12,70.41 ; D318.B16 198.83,71.12 ; D306.A14 414.73,66.04 ; D306.A14 414.02,66.75 ; D306.A14 414.02,65.33 ; D306.A14 413.31,66.04 ; D126.A15 48.26,74.47 ; D126.A15 49.07,73.66 ; D126.A15 47.45,73.66 ; D126.A15 48.26,72.85 ; D115.B16 310.69,368.3 ; D115.B16 309.07,368.3 ; D115.B16 309.88,367.49 ; D115.B16 309.88,369.11 ; 405.69,63.5 D306.A11 ; D306.A11 406.4,64.21 ; D306.A11 406.4,62.79 ; D306.A11 407.11,63.5 ; D124.A10 257.35,35.56 ; D124.A10 255.73,35.56 ; D124.A10 256.54,36.37 ; D124.A10 256.54,34.75 ; 85.55,99.06 D129.B1 ; D129.B1 86.36,99.87 ; D129.B1 86.36,98.25 ; D129.B1 87.17,99.06 ; D116.A2 345.44,394.51 ; D116.A2 345.44,392.89 ; D116.A2 346.25,393.7 ; D116.A2 344.63,393.7 ; 248.92,32.21 D124.A7 ; D124.A7 249.73,33.02 ; D124.A7 248.11,33.02 ; D124.A7 248.92,33.83 ; 342.09,375.92 D115.A3 ; D115.A3 342.9,375.11 ; D115.A3 342.9,376.73 ; D115.A3 343.71,375.92 ; 192.23,55.88 D119.A14 ; D119.A14 193.85,55.88 ; D119.A14 193.04,56.69 ; D119.A14 193.04,55.07 ; 414.02,347.17 D110.B4 ; D110.B4 413.21,347.98 ; D110.B4 414.02,348.79 ; D110.B4 414.83,347.98 ; 309.17,71.12 D302.B2 ; D302.B2 310.59,71.12 ; D302.B2 309.88,71.83 ; D302.B2 309.88,70.41 ; 195.58,67.87 D318.B15 ; D318.B15 196.29,68.58 ; D318.B15 194.87,68.58 ; D318.B15 195.58,69.29 ; 172.72,39.83 D120.B6 ; D120.B6 171.91,40.64 ; D120.B6 173.53,40.64 ; D120.B6 172.72,41.45 ; 22.05,53.34 D127.A5 ; D127.A5 22.86,52.53 ; D127.A5 23.67,53.34 ; D127.A5 22.86,54.15 ; 123.65,35.56 D132.A16 ; D132.A16 124.46,36.37 ; D132.A16 124.46,34.75 ; D132.A16 125.27,35.56 ; D126.A2 15.24,77.01 ; D126.A2 14.43,76.2 ; D126.A2 15.24,75.39 ; D126.A2 16.05,76.2 ; D109.B13 391.16,331.01 ; D109.B13 391.16,329.39 ; D109.B13 390.35,330.2 ; D109.B13 391.97,330.2 ; 330.2,80.47 D102.B10 ; D102.B10 331.01,81.28 ; D102.B10 329.39,81.28 ; D102.B10 330.2,82.09 ; 47.45,78.74 D126.B15 ; D126.B15 48.26,79.55 ; D126.B15 48.26,77.93 ; D126.B15 49.07,78.74 ; D107.A8 398.78,56.69 ; D107.A8 397.97,55.88 ; D107.A8 399.59,55.88 ; D107.A8 398.78,55.07 ; D231.B14 168.45,368.3 ; D231.B14 166.83,368.3 ; D231.B14 167.64,369.11 ; D231.B14 167.64,367.49 ; 261.62,70.41 D322.B12 ; D322.B12 260.91,71.12 ; D322.B12 262.33,71.12 ; D322.B12 261.62,71.83 ; D111.A12 394.51,373.38 ; D111.A12 393.7,374.19 ; D111.A12 392.89,373.38 ; D111.A12 393.7,372.57 ; D128.A13 43.18,33.83 ; D128.A13 43.18,32.21 ; D128.A13 43.99,33.02 ; D128.A13 42.37,33.02 ; SITE4.G13 329.03,183.31 ; SITE4.G13 329.51,182.83 ; SITE4.G13 329.03,182.35 ; SITE4.G13 328.55,182.83 ; 171.91,383.54 D431.A12 ; D431.A12 172.72,384.35 ; D431.A12 172.72,382.73 ; D431.A12 173.53,383.54 ; D102.A16 346.25,76.2 ; D102.A16 345.44,75.39 ; D102.A16 344.63,76.2 ; D102.A16 345.44,77.01 ; 329.49,71.12 D302.B10 ; D302.B10 330.2,70.41 ; D302.B10 330.2,71.83 ; D302.B10 330.91,71.12 ; 47.45,53.34 D127.A15 ; D127.A15 48.26,54.15 ; D127.A15 48.26,52.53 ; D127.A15 49.07,53.34 ; D128.B1 12.7,38.91 ; D128.B1 12.7,37.29 ; D128.B1 11.89,38.1 ; D128.B1 13.51,38.1 ; D431.B14 168.45,378.46 ; D431.B14 166.83,378.46 ; D431.B14 167.64,379.27 ; D431.B14 167.64,377.65 ; D111.A9 402.13,375.92 ; D111.A9 401.32,376.73 ; D111.A9 400.51,375.92 ; D111.A9 401.32,375.11 ; D102.A2 310.69,76.2 ; D102.A2 309.07,76.2 ; D102.A2 309.88,77.01 ; D102.A2 309.88,75.39 ; D317.A6 173.43,86.36 ; D317.A6 172.72,87.07 ; D317.A6 172.72,85.65 ; D317.A6 172.01,86.36 ; 309.88,34.75 D104.A2 ; D104.A2 309.07,35.56 ; D104.A2 310.69,35.56 ; D104.A2 309.88,36.37 ; D321.A12 262.33,86.36 ; D321.A12 261.62,87.07 ; D321.A12 261.62,85.65 ; D321.A12 260.91,86.36 ; 344.63,60.96 D103.B16 ; D103.B16 345.44,60.15 ; D103.B16 346.25,60.96 ; D103.B16 345.44,61.77 ; 344.63,368.3 D115.B2 ; D115.B2 346.25,368.3 ; D115.B2 345.44,367.49 ; D115.B2 345.44,369.11 ; 264.16,72.85 D122.A13 ; D122.A13 264.16,74.47 ; D122.A13 264.97,73.66 ; D122.A13 263.35,73.66 ; DPS2.A15 312.42,416.1 ; DPS2.A15 312.42,414.48 ; DPS2.A15 311.61,415.29 ; DPS2.A15 313.23,415.29 ; 33.02,98.25 D125.B9 ; D125.B9 33.02,99.87 ; D125.B9 32.21,99.06 ; D125.B9 33.83,99.06 ; D302.A7 323.29,63.5 ; D302.A7 321.87,63.5 ; D302.A7 322.58,64.21 ; D302.A7 322.58,62.79 ; D115.B6 335.28,369.11 ; D115.B6 334.47,368.3 ; D115.B6 335.28,367.49 ; D115.B6 336.09,368.3 ; D116.A10 325.93,393.7 ; D116.A10 325.12,392.89 ; D116.A10 324.31,393.7 ; D116.A10 325.12,394.51 ; D231.B6 188.77,368.3 ; D231.B6 187.96,367.49 ; D231.B6 187.96,369.11 ; D231.B6 187.15,368.3 ; 12.7,52.53 D127.A1 ; D127.A1 12.7,54.15 ; D127.A1 13.51,53.34 ; D127.A1 11.89,53.34 ; D306.B6 394.41,71.12 ; D306.B6 393.7,71.83 ; D306.B6 392.99,71.12 ; D306.B6 393.7,70.41 ; D107.B8 398.78,61.77 ; D107.B8 398.78,60.15 ; D107.B8 399.59,60.96 ; D107.B8 397.97,60.96 ; 340.36,60.15 D103.B14 ; D103.B14 341.17,60.96 ; D103.B14 340.36,61.77 ; D103.B14 339.55,60.96 ; DPS1.C01 381,19.86 ; DPS1.C01 380.19,19.05 ; DPS1.C01 381.81,19.05 ; DPS1.C01 381,18.24 ; D115.A15 313.23,375.92 ; D115.A15 312.42,375.11 ; D115.A15 311.61,375.92 ; D115.A15 312.42,376.73 ; 193.04,372.57 D231.A4 ; D231.A4 192.23,373.38 ; D231.A4 193.04,374.19 ; D231.A4 193.85,373.38 ; 414.02,34.75 D108.A14 ; D108.A14 414.83,35.56 ; D108.A14 413.21,35.56 ; D108.A14 414.02,36.37 ; 249.33,240.85 SITE1.G2 ; SITE1.G2 248.85,241.33 ; SITE1.G2 249.81,241.33 ; SITE1.G2 249.33,241.81 ; D103.A2 310.69,55.88 ; D103.A2 309.88,55.07 ; D103.A2 309.07,55.88 ; D103.A2 309.88,56.69 ; 326.85,58.42 D103.B9 ; D103.B9 327.66,57.61 ; D103.B9 327.66,59.23 ; D103.B9 328.47,58.42 ; D321.A10 257.25,86.36 ; D321.A10 256.54,85.65 ; D321.A10 255.83,86.36 ; D321.A10 256.54,87.07 ; D123.A7 249.73,53.34 ; D123.A7 248.92,52.53 ; D123.A7 248.11,53.34 ; D123.A7 248.92,54.15 ; 314.15,347.98 D114.B14 ; D114.B14 314.96,347.17 ; D114.B14 314.96,348.79 ; D114.B14 315.77,347.98 ; D126.B11 38.91,78.74 ; D126.B11 38.1,77.93 ; D126.B11 38.1,79.55 ; D126.B11 37.29,78.74 ; 408.23,71.12 D306.B12 ; D306.B12 408.94,71.83 ; D306.B12 409.65,71.12 ; D306.B12 408.94,70.41 ; D305.A8 399.49,86.36 ; D305.A8 398.07,86.36 ; D305.A8 398.78,87.07 ; D305.A8 398.78,85.65 ; 189.69,370.84 D231.B5 ; D231.B5 191.31,370.84 ; D231.B5 190.5,371.65 ; D231.B5 190.5,370.03 ; D112.A7 407.21,396.24 ; D112.A7 406.4,395.43 ; D112.A7 405.59,396.24 ; D112.A7 406.4,397.05 ; D126.B1 12.7,79.55 ; D126.B1 13.51,78.74 ; D126.B1 11.89,78.74 ; D126.B1 12.7,77.93 ; 320.04,372.57 D115.A12 ; D115.A12 320.04,374.19 ; D115.A12 320.85,373.38 ; D115.A12 319.23,373.38 ; D118.B14 193.85,81.28 ; D118.B14 192.23,81.28 ; D118.B14 193.04,82.09 ; D118.B14 193.04,80.47 ; 32.21,33.02 D128.A9 ; D128.A9 33.83,33.02 ; D128.A9 33.02,33.83 ; D128.A9 33.02,32.21 ; DPS2.C05 338.63,410.21 ; DPS2.C05 337.01,410.21 ; DPS2.C05 337.82,409.4 ; DPS2.C05 337.82,411.02 ; 233.68,18.24 DPS3.C01 ; DPS3.C01 233.68,19.86 ; DPS3.C01 232.87,19.05 ; DPS3.C01 234.49,19.05 ; 332.15,242.83 SITE2.G16 ; SITE2.G16 332.63,242.35 ; SITE2.G16 333.11,242.83 ; SITE2.G16 332.63,243.31 ; DPS8.C05 190.5,411.02 ; DPS8.C05 189.69,410.21 ; DPS8.C05 190.5,409.4 ; DPS8.C05 191.31,410.21 ; D301.A8 325.83,86.36 ; D301.A8 325.12,87.07 ; D301.A8 325.12,85.65 ; D301.A8 324.41,86.36 ; 260.81,60.96 D123.B12 ; D123.B12 262.43,60.96 ; D123.B12 261.62,60.15 ; D123.B12 261.62,61.77 ; 14.43,40.64 D128.B2 ; D128.B2 15.24,39.83 ; D128.B2 16.05,40.64 ; D128.B2 15.24,41.45 ; 398.78,326.85 D109.B10 ; D109.B10 398.78,328.47 ; D109.B10 399.59,327.66 ; D109.B10 397.97,327.66 ; 252.85,247.93 SITE1.G12 ; SITE1.G12 253.33,248.41 ; SITE1.G12 253.81,247.93 ; SITE1.G12 253.33,247.45 ; 164.29,78.74 D118.B3 ; D118.B3 165.1,77.93 ; D118.B3 165.1,79.55 ; D118.B3 165.91,78.74 ; DPS1.A01 381.81,13.97 ; DPS1.A01 381,13.16 ; DPS1.A01 380.19,13.97 ; DPS1.A01 381,14.78 ; 25.4,60.15 D127.B6 ; D127.B6 24.59,60.96 ; D127.B6 26.21,60.96 ; D127.B6 25.4,61.77 ; 166.83,81.28 D118.B4 ; D118.B4 167.64,80.47 ; D118.B4 168.45,81.28 ; D118.B4 167.64,82.09 ; D107.B13 411.48,59.23 ; D107.B13 410.67,58.42 ; D107.B13 411.48,57.61 ; D107.B13 412.29,58.42 ; D122.A15 269.24,74.47 ; D122.A15 270.05,73.66 ; D122.A15 269.24,72.85 ; D122.A15 268.43,73.66 ; 192.23,40.64 D120.B14 ; D120.B14 193.04,41.45 ; D120.B14 193.04,39.83 ; D120.B14 193.85,40.64 ; D305.B2 383.54,92.15 ; D305.B2 384.25,91.44 ; D305.B2 383.54,90.73 ; D305.B2 382.83,91.44 ; D321.B2 236.22,92.15 ; D321.B2 236.93,91.44 ; D321.B2 235.51,91.44 ; D321.B2 236.22,90.73 ; 383.54,60.15 D107.B2 ; D107.B2 383.54,61.77 ; D107.B2 382.73,60.96 ; D107.B2 384.35,60.96 ; D106.B12 408.94,82.09 ; D106.B12 408.13,81.28 ; D106.B12 409.75,81.28 ; D106.B12 408.94,80.47 ; D108.A10 404.67,35.56 ; D108.A10 403.05,35.56 ; D108.A10 403.86,34.75 ; D108.A10 403.86,36.37 ; 164.29,73.66 D118.A3 ; D118.A3 165.91,73.66 ; D118.A3 165.1,72.85 ; D118.A3 165.1,74.47 ; D102.B7 322.58,79.55 ; D102.B7 321.77,78.74 ; D102.B7 322.58,77.93 ; D102.B7 323.39,78.74 ; D302.A12 335.28,66.75 ; D302.A12 335.99,66.04 ; D302.A12 335.28,65.33 ; D302.A12 334.57,66.04 ; D104.B16 345.44,41.45 ; D104.B16 345.44,39.83 ; D104.B16 344.63,40.64 ; D104.B16 346.25,40.64 ; S1_I2C.4 70.61,209.98 ; S1_I2C.4 70.61,208.1 ; S1_I2C.4 71.55,209.04 ; S1_I2C.4 69.67,209.04 ; 180.34,67.87 D318.B9 ; D318.B9 180.34,69.29 ; D318.B9 181.05,68.58 ; D318.B9 179.63,68.58 ; 332.33,187.45 SITE4.G11 ; SITE4.G11 331.85,187.93 ; SITE4.G11 332.33,188.41 ; SITE4.G11 332.81,187.93 ; D124.B4 241.3,41.45 ; D124.B4 240.49,40.64 ; D124.B4 241.3,39.83 ; D124.B4 242.11,40.64 ; D115.B13 318.31,370.84 ; D115.B13 317.5,370.03 ; D115.B13 316.69,370.84 ; D115.B13 317.5,371.65 ; D125.A3 18.59,93.98 ; D125.A3 17.78,93.17 ; D125.A3 16.97,93.98 ; D125.A3 17.78,94.79 ; D123.B13 264.16,59.23 ; D123.B13 264.16,57.61 ; D123.B13 263.35,58.42 ; D123.B13 264.97,58.42 ; 93.17,55.88 D131.A4 ; D131.A4 94.79,55.88 ; D131.A4 93.98,55.07 ; D131.A4 93.98,56.69 ; SITE1.G16 253.11,242.83 ; SITE1.G16 252.63,242.35 ; SITE1.G16 252.15,242.83 ; SITE1.G16 252.63,243.31 ; SITE3.G8 249.81,187.93 ; SITE3.G8 248.85,187.93 ; SITE3.G8 249.33,187.45 ; SITE3.G8 249.33,188.41 ; 307.34,77.93 D102.B1 ; D102.B1 306.53,78.74 ; D102.B1 307.34,79.55 ; D102.B1 308.15,78.74 ; 261.62,55.07 D123.A12 ; D123.A12 260.81,55.88 ; D123.A12 262.43,55.88 ; D123.A12 261.62,56.69 ; 416.56,32.21 D108.A15 ; D108.A15 415.75,33.02 ; D108.A15 416.56,33.83 ; D108.A15 417.37,33.02 ; 124.46,80.47 D130.B16 ; D130.B16 124.46,82.09 ; D130.B16 125.27,81.28 ; D130.B16 123.65,81.28 ; 401.32,57.61 D107.B9 ; D107.B9 400.51,58.42 ; D107.B9 401.32,59.23 ; D107.B9 402.13,58.42 ; D128.A8 30.48,36.37 ; D128.A8 29.67,35.56 ; D128.A8 31.29,35.56 ; D128.A8 30.48,34.75 ; 337.82,334.47 D113.A5 ; D113.A5 337.01,335.28 ; D113.A5 337.82,336.09 ; D113.A5 338.63,335.28 ; 307.34,37.29 D104.B1 ; D104.B1 306.53,38.1 ; D104.B1 307.34,38.91 ; D104.B1 308.15,38.1 ; D231.A5 190.5,376.73 ; D231.A5 189.69,375.92 ; D231.A5 191.31,375.92 ; D231.A5 190.5,375.11 ; D104.A10 331.01,35.56 ; D104.A10 330.2,36.37 ; D104.A10 329.39,35.56 ; D104.A10 330.2,34.75 ; D115.B11 323.39,370.84 ; D115.B11 321.77,370.84 ; D115.B11 322.58,370.03 ; D115.B11 322.58,371.65 ; 321.77,391.16 D116.B11 ; D116.B11 323.39,391.16 ; D116.B11 322.58,391.97 ; D116.B11 322.58,390.35 ; 108.41,76.2 D130.A10 ; D130.A10 109.22,75.39 ; D130.A10 110.03,76.2 ; D130.A10 109.22,77.01 ; D306.A15 416.56,64.21 ; D306.A15 417.27,63.5 ; D306.A15 415.85,63.5 ; D306.A15 416.56,62.79 ; 416.56,52.53 D107.A15 ; D107.A15 415.75,53.34 ; D107.A15 416.56,54.15 ; D107.A15 417.37,53.34 ; D124.A13 264.97,33.02 ; D124.A13 263.35,33.02 ; D124.A13 264.16,32.21 ; D124.A13 264.16,33.83 ; D112.A16 383.54,394.51 ; D112.A16 382.73,393.7 ; D112.A16 383.54,392.89 ; D112.A16 384.35,393.7 ; SITE3.G13 249.51,182.83 ; SITE3.G13 249.03,183.31 ; SITE3.G13 248.55,182.83 ; SITE3.G13 249.03,182.35 ; 200.66,370.03 D231.B1 ; D231.B1 201.47,370.84 ; D231.B1 200.66,371.65 ; D231.B1 199.85,370.84 ; 413.31,71.12 D306.B14 ; D306.B14 414.02,71.83 ; D306.B14 414.73,71.12 ; D306.B14 414.02,70.41 ; 187.15,81.28 D118.B12 ; D118.B12 187.96,80.47 ; D118.B12 188.77,81.28 ; D118.B12 187.96,82.09 ; 324.41,91.44 D301.B8 ; D301.B8 325.83,91.44 ; D301.B8 325.12,90.73 ; D301.B8 325.12,92.15 ; D127.A2 16.05,55.88 ; D127.A2 15.24,55.07 ; D127.A2 15.24,56.69 ; D127.A2 14.43,55.88 ; D317.B4 168.35,91.44 ; D317.B4 167.64,90.73 ; D317.B4 167.64,92.15 ; D317.B4 166.93,91.44 ; D110.B13 391.97,350.52 ; D110.B13 391.16,349.71 ; D110.B13 390.35,350.52 ; D110.B13 391.16,351.33 ; 200.66,414.48 DPS8.A01 ; DPS8.A01 201.47,415.29 ; DPS8.A01 199.85,415.29 ; DPS8.A01 200.66,416.1 ; D110.B12 393.7,348.79 ; D110.B12 392.89,347.98 ; D110.B12 394.51,347.98 ; D110.B12 393.7,347.17 ; D305.A4 389.33,86.36 ; D305.A4 387.91,86.36 ; D305.A4 388.62,85.65 ; D305.A4 388.62,87.07 ; 319.23,81.28 D102.B6 ; D102.B6 320.85,81.28 ; D102.B6 320.04,82.09 ; D102.B6 320.04,80.47 ; 392.89,332.74 D109.A12 ; D109.A12 393.7,333.55 ; D109.A12 394.51,332.74 ; D109.A12 393.7,331.93 ; 247.85,181.33 SITE3.G1 ; SITE3.G1 248.33,180.85 ; SITE3.G1 248.81,181.33 ; SITE3.G1 248.33,181.81 ; 327.66,52.53 D103.A9 ; D103.A9 327.66,54.15 ; D103.A9 328.47,53.34 ; D103.A9 326.85,53.34 ; D116.B7 332.74,391.97 ; D116.B7 331.93,391.16 ; D116.B7 333.55,391.16 ; D116.B7 332.74,390.35 ; D306.A1 381.71,63.5 ; D306.A1 381,64.21 ; D306.A1 380.29,63.5 ; D306.A1 381,62.79 ; 198.12,342.09 CSDPS429.B2 ; CSDPS429.B2 